# KiCad board Rogelio Pineda part 8-AMLDC-2044B.kicad_pcb (continued)
## Routing (per net, layer and track width the routed paths; a pad name or vN(x,y) marks a point on that pad's centre or on a via; arc(x,y) is an arc through that point) (continued)
  Top w0.15: 278.58,204.3 UM4.7 ; 278.58,204.3 278.59,204.29 278.85,204.54 278.85,228.02 ; 278.58,204.3 281.19,201.69 281.19,192.01 ; UE1.7 165.53,343.15 165.61,343.06 165.68,343.13 ; 208.53,405.98 208.53,395.26 ; 208.53,405.98 208.53,407.16 v1(208.58,407.21) 208.53,407.26 208.53,407.38 ; 208.53,405.98 208.51,405.95 C30.2 ; 208.53,395.26 208.53,388.54 ; 208.53,395.26 208.5,395.23 208.25,395.47 UB2.7 ; 433.62,352.89 433.62,349.06 433.67,349 433.67,340.2 ; 433.62,352.89 433.62,359.06 ; 433.62,352.89 433.66,352.85 C53.1 ; 281.9,162.95 279.67,162.95 UP4.8 ; 281.9,162.95 281.9,157.87 ; 281.9,162.95 281.9,180.73 ; 360.08,47.13 360.33,47.38 360.33,64.36 ; 360.08,47.13 v1(359.99,39.33) 360.08,39.41 ; 360.08,47.13 UW6.7 ; 397.26,244.84 397.03,245.07 397.03,253.3 ; 397.26,244.84 395.69,244.84 v1(395.6,244.93) 395.51,244.84 395.48,244.84 395.43,244.9 ; 397.26,244.84 397.26,233.73 396.88,233.35 v1(396.82,233.35) 396.82,233.29 396.74,233.21 396.74,220.29 ; 205.96,340.09 205.96,324.12 ; 205.96,340.09 202.8,339.7 198.85,339.6 v1(197.63,339.75) 197.52,339.7 ; 205.96,340.09 205.96,342.86 ; 205.96,324.12 205.96,307.73 206.06,307.63 ; 205.96,324.12 205.93,324.09 205.87,324.14 UF2.7 ; 165.88,236.09 165.88,221.02 166.13,220.77 ; 165.88,236.09 165.93,236.14 165.93,254.31 ; 165.88,236.09 163,236.36 160.13,236.36 159.83,236.06 C66.1 ; 316.5,286.76 316.4,286.66 316.13,286.93 UH5.7 ; 316.5,286.76 316.5,299.96 ; 316.5,286.76 316.5,238.91 315.94,238.35 ; UF1.7 165.66,324 165.95,323.7 165.95,323.83 ; 247.93,324.26 246.87,324.26 UF3.8 ; 247.93,324.26 246.65,324.29 246.61,324.24 ; 247.93,324.26 248.59,324.24 249,323.83 ; UP6.7 359.79,162 360.1,161.7 360.29,161.89 ; 165.95,302.93 165.95,289.65 165.93,289.62 ; 165.95,302.93 165.95,302.81 165.44,302.3 165.09,302.65 C62.2 154.9,302.65 ; 165.95,302.93 165.95,307.27 ; 396.86,39.01 396.83,39.05 v1(396.86,39.08) 396.83,64.01 ; UH4.9 281.34,294.68 282.03,293.98 ; 315.94,238.35 315.94,236.2 318.42,233.72 318.42,220.49 ; 315.94,238.35 UK5.7 ; UT6.7 359.61,107.96 359.92,107.66 360.35,108.09 ; 281.37,392.88 280.95,392.46 280.74,392.68 UB4.8 ; 281.37,392.88 281.37,400.63 ; 281.37,392.88 281.37,388.3 280.9,387.33 280.11,384.73 279.52,381.24 279.36,380.26 279.26,380.14 279.11,379.13 279.11,376.46 278.71,376.07 ; UD4.7 276.91,359.69 279.28,359.69 ; UD7.7 396.64,359.23 397.14,358.73 397.55,359.13 ; C67.2 200.48,236.25 200.53,236.2 206.09,236.2 ; US1.12 158.76,136.85 159.28,137.78 159.9,138.44 160.65,138.94 162.57,139.56 163.31,139.79 164.05,139.79 v1(164.09,139.83) 164.13,139.79 167.98,139.79 168.53,140.33 ; UN3.7 244.8,188.35 246.34,188.35 ; 246.6,38.73 v1(246.56,38.77) 246.34,38.99 246.34,48.65 ; UV6.7 360.03,64.65 360.33,64.36 ; 281.9,305.19 281.9,314.28 281.34,314.84 ; 281.9,305.19 283.82,305.19 284.19,304.82 284.19,301.12 282.06,298.99 282.06,294.01 282.03,293.98 ; 281.9,305.19 279.51,305.19 UG4.8 ; 363.13,262.01 363.13,253.67 ; 363.13,262.01 363.13,261.57 362.89,261.32 UK6.9 ; 363.13,262.01 363.13,265.91 360.77,268.28 360.77,270.23 360.78,270.24 ; 363.13,253.67 362.91,253.45 362.66,253.7 UK6.8 ; 363.13,253.67 363.13,249.78 363.26,249.65 362.53,248.91 362.53,246.93 360.13,244.53 360.13,233.38 ; 360.29,161.89 360.29,155.33 ; 360.29,161.89 360.29,187.33 ; 360.29,155.33 359.53,156.1 359.01,156.1 358.9,155.98 C37.1 347.37,157.54 346.76,158.82 346.31,159.71 345.94,160.49 345.42,161.42 UP6.2 ; 360.29,155.33 360.29,139.9 ; 396.74,156.43 396.74,139.12 ; 396.74,156.43 396.59,156.28 396.55,156.33 390.16,156.33 389.44,152.47 UR7.10 ; 396.74,156.43 396.74,167.1 ; 396.74,139.12 396.74,121.32 ; 396.74,139.12 396.04,138.43 390.63,138.43 389.58,136.94 US7.10 ; UV1.7 164.71,65.8 165.89,64.62 ; 360.78,359.22 360.93,359.37 360.93,372.43 ; 360.78,359.22 360.67,359.33 UD6.7 ; 360.78,359.22 360.78,339.7 ; UB3.7 244.76,393.96 249.23,393.96 ; UF5.7 315.98,321.23 316.43,320.78 316.5,320.84 ; 168.53,140.33 168.84,140.02 168.84,125.85 166.15,123.16 166.15,109.17 ; 168.53,140.33 168.53,154.55 166.07,157 ; 397.49,287.04 396.71,286.25 396.36,286.6 395.04,286.6 v1(394.81,286.62) 395.01,286.6 395.02,286.6 ; 397.49,287.04 397.49,303.94 ; 397.49,287.04 397.49,281.98 397.46,281.95 399.47,279.94 399.47,269.76 ; 360.03,203.98 360.51,203.5 360.51,187.55 360.29,187.33 ; 360.03,203.98 360.13,203.88 360.13,220.63 ; 360.03,203.98 UM6.7 ; 316.16,143.33 315.87,143.05 315.87,118.02 315.87,118.02 315.87,102.51 315.95,102.51 318.26,100.2 318.26,88.65 ; 316.16,143.33 315.11,144.38 UR5.7 ; 316.16,143.33 316.16,162.91 ; 246.34,48.65 246.34,47.5 246.16,47.32 246.04,47.44 UW3.7 ; 246.34,48.65 246.34,66.43 ; 281.9,180.73 281.72,180.73 280,179.01 v1(280,178.96) 279.95,178.96 279.88,178.88 ; 281.9,180.73 281.9,191.29 281.19,192.01 ; C13.2 208.89,388.9 208.53,388.54 ; UM1.7 165.42,204.47 165.76,204.12 166.05,204.41 ; 248.97,331.83 248.97,323.86 249,323.83 ; 248.97,331.83 249.06,331.92 249.06,333.75 246.47,336.34 ; 248.97,331.83 248.85,331.95 248.68,331.94 248.49,331.75 UF3.9 ; 318.26,83.69 318.26,64.31 ; 318.26,83.69 317.8,83.23 317.27,83.76 309.05,84.01 ; 318.26,83.69 318.26,88.65 ; 318.26,64.31 317.78,64.78 UV5.8 ; 318.26,64.31 318.25,64.3 318.25,46.71 ; 281.19,192.01 281.39,191.8 281.34,191.86 280.26,191.86 v1(280.24,191.83) 280.21,191.86 280.06,191.86 ; UP4.2 264.24,162.76 264.31,163.86 264.73,165.25 265.15,166.23 265.41,166.59 265.41,167.24 265.99,168.4 UP4.14 266.26,170.82 266.06,171.43 266.03,172.87 265.97,173.18 265.77,175.44 265.7,175.81 265.4,177.01 265.28,178.16 C55.2 265.99,179.92 266.56,180.31 267.84,181.38 269.19,182.79 269.54,183.49 270.16,184.64 270.26,188.01 270.31,188.05 270.44,192.21 271.26,194.27 271.33,195.09 UN4.12 ; 246.62,127.67 246.34,127.39 245.99,127.75 US3.7 ; 246.62,127.67 246.62,108.48 246.48,108.61 ; 246.62,127.67 246.62,145.17 ; 279.22,89.79 279.29,89.72 278.99,89.42 UU4.7 ; 279.22,89.79 279.22,107.6 ; 279.22,89.79 279.22,64.5 ; 360.29,187.33 360.09,187.53 UN6.7 ; 166.13,220.77 UL1.7 ; 166.13,220.77 166.13,204.48 166.05,204.41 ; 318.26,88.65 318.07,88.46 317.49,89.04 UU5.8 ; UL2.7 205.95,220.86 206.06,220.75 206.09,220.79 ; 279.36,325.51 279.36,323.85 UF4.7 ; 279.36,325.51 279.36,340.75 ; 279.36,325.51 279.36,316.28 280.8,314.84 281.34,314.84 ; 397.44,332.5 C51.1 ; 397.44,332.5 397.49,332.45 397.49,320.19 ; 397.44,332.5 397.55,332.61 397.55,339.79 ; 206.06,270.97 205.64,270.56 UJ2.7 ; 206.06,270.97 206.06,253.99 ; 206.06,270.97 206.06,289.41 ; 281.34,314.84 279.31,312.81 UG4.9 ; 208.79,204.62 208.79,214.1 206.09,216.81 ; 208.79,204.62 208.38,204.21 UM2.8 ; 208.79,204.62 208.79,199.24 ; 360.13,220.63 360.13,233.38 ; 360.13,220.63 359.97,220.47 359.91,220.53 UL6.7 ; J2.99 80.65,46.44 v1(80.76,46.34) 80.86,46.44 80.87,46.44 80.88,46.43 ; 360.35,108.09 360.35,103.78 360.07,103.5 ; 360.35,108.09 360.35,122.78 ; UN7.7 395.54,188.35 396.2,188.35 396.74,188.89 ; 206.06,307.63 206.06,289.41 ; 206.06,307.63 UG2.7 ; 206.06,289.41 205.87,289.6 UH2.7 ; 360.78,305.19 360.78,304.65 360.68,304.55 UG6.7 ; 360.78,305.19 360.78,321.34 ; 360.78,305.19 360.78,287.41 ; 206.09,220.79 206.09,216.81 ; 206.09,220.79 206.09,236.2 ; 206.09,216.81 206.06,216.78 202.73,216.16 201.04,215.99 196.28,215.39 ; 208.79,199.24 208.79,178.21 v1(208.79,178.2) 208.79,178.2 208.79,167.08 208.89,166.98 208.89,164.44 209.13,164.2 v1(209.32,164.2) 209.32,164.02 209.38,163.95 209.38,156.65 208.21,155.48 208.6,155.09 208.6,149.61 ; 208.79,199.24 208.5,198.95 201.95,198.82 ; 166.05,386.85 166,386.8 ; 166.05,386.85 166.21,386.85 ; 166.05,386.85 166.05,378.47 165.97,378.54 ; 279.36,340.75 277.13,340.75 UE4.7 ; 279.36,340.75 279.28,340.83 279.28,359.69 ; 165.89,64.62 165.89,83.04 166.15,83.3 ; 165.89,64.62 165.89,60.85 168.3,58.43 168.3,43.07 ; 166,361.96 165.68,361.65 C43.2 165.68,343.13 ; 166,361.96 165.71,362.25 UD1.7 ; 166,361.96 166,373.72 166.06,373.79 ; 246.35,239.45 246.38,239.43 240.08,239.88 239.08,239.85 C68.1 ; 246.35,239.45 246.35,220.69 246.29,220.64 246.06,220.87 UL3.7 ; 246.35,239.45 246.35,270.31 ; 281.9,141.83 281.9,131.46 281.16,130.72 281.02,125.57 279.38,122.55 278.35,121.11 278.35,117.41 279.22,116.54 279.22,107.6 ; 281.9,141.83 281.9,141.61 281.31,141.02 272.73,141.02 272.49,140.78 C39.1 271.21,139.07 271.16,139.03 ; 281.9,141.83 281.9,157.87 ; 206.09,236.2 206.09,253.96 206.06,253.99 ; 165.93,289.62 165.89,289.58 165.77,289.71 UH1.7 ; 165.93,289.62 165.93,270.63 ; UL7.7 396.55,220.48 396.74,220.29 ; 166.05,204.41 166.66,203.81 166.66,200.07 166.78,200.07 168.53,198.32 168.41,198.2 v1(168.41,195.9) 168.26,190.29 167.75,188.19 167.79,187.06 166.58,185.08 166.27,163.58 166.27,162.8 166.07,162.61 ; 317.98,187.58 318.05,187.65 317.98,187.72 317.98,194.31 318.94,195.28 318.94,203.56 317.32,203.56 315.88,205 ; 317.98,187.58 317.98,184.97 318.18,184.76 316.16,182.74 316.16,162.91 ; 317.98,187.58 UN5.8 ; 276.82,65.16 278.56,65.16 279.22,64.5 ; 360.93,393.17 359.99,392.23 UB6.7 ; 360.93,393.17 v1(360.85,405.74) 360.93,405.78 360.89,405.82 ; 360.93,393.17 360.93,376.01 ; 166.06,373.79 166.21,373.64 170.01,373.64 v1(170.14,373.77) 170.28,373.64 170.33,373.64 170.45,373.76 ; 166.06,373.79 165.97,373.87 165.97,378.54 ; 208.53,388.54 208.53,377.63 208.72,377.44 ; 397.49,320.19 397.49,303.94 ; 397.49,320.19 396.78,320.9 UF7.7 ; 397.49,303.94 396.85,303.99 UG7.7 ; 249.06,369.9 248.92,369.77 UD3.9 ; 249.06,369.9 249.06,362.2 ; 249.06,369.9 249.06,379.07 ; 426.36,128.92 428,130.55 428,132.56 ; 426.36,128.92 v1(423.17,125.51) ; 426.36,128.92 426.77,125.99 425.74,117.32 425.02,113.44 424.26,109.98 423.55,106.08 423.17,103.85 v1(423.11,103.85) 423.11,103.79 422.9,103.58 422.42,98.43 421.77,95.18 419.54,80.58 418.86,75.13 417.13,61.39 416.93,59.65 416.57,54.04 416.4,52.1 416.33,51.41 C21.2 ; 360.29,139.9 359.2,139.59 354.1,139.68 346.8,139.8 346.34,140.42 346.2,140.83 UR6.2 ; 360.29,139.9 360.29,127.83 ; 431.76,402.89 433.67,402.89 433.75,402.81 433.75,388.58 433.6,388.43 ; 431.76,402.89 431.43,403.05 429.22,403.05 ; 431.76,402.89 v1(431.67,403.99) 431.73,404.05 ; 433.67,340.2 433.67,320.88 ; 433.67,340.2 433.45,339.98 UE8.7 ; 433.67,320.88 433.67,304.52 ; 433.67,320.88 433.45,320.66 433.38,320.73 UF8.7 ; UB4.9 279.46,400.63 281.37,400.63 ; 166.21,386.85 166.29,392.49 166.17,395.59 ; 166.21,386.85 CR3.2 ; 318,38.22 v1(317.91,38.24) 318.25,38.48 318.25,46.71 ; 282.03,287.41 282.03,282.3 281.78,282.04 280.44,280.12 279.59,277.9 278.89,276.2 278.87,274.51 278.87,245.72 278.43,245.27 v1(278.43,245.24) 278.4,245.24 278.39,245.23 278.39,228.48 278.85,228.02 ; 282.03,287.41 282.03,293.98 ; 282.03,287.41 282.03,287 282.01,286.97 281.92,287.06 UH4.8 ; 154.36,302.43 154.49,302.55 v1(154.53,302.55) 154.53,302.6 154.59,302.65 ; 360.78,270.24 360.78,287.41 ; 360.78,270.24 360.35,269.81 359.94,270.23 UJ6.7 ; UN5.15 301.21,193.94 301.01,193.42 300.93,192.82 300.72,192.13 300.5,190.87 300.17,189.66 299.99,184.41 299.85,183.16 v1(299.85,182.24) 299.85,182.17 299.81,182.13 ; 166.17,395.59 165.95,395.37 163.02,395.37 ; 166.17,395.59 166.17,396.19 166.68,396.69 166.68,406.42 167.31,407.06 168.08,407.06 v1(168.12,407.1) 168.16,407.06 168.59,407.06 168.67,406.97 168.67,406.59 169.16,406.1 C16.2 174.74,405.57 174.66,405.53 ; 396.74,167.1 396.5,166.87 391.21,166.87 391.06,167.01 390.16,168.06 UP7.10 ; 396.74,167.1 396.74,188.89 ; UR4.12 271.84,153.66 272.2,155.15 273.2,156.15 281.75,156.15 281.9,156.3 281.9,157.87 ; 318.56,359.22 318.38,359.4 UD5.8 ; 318.56,359.22 318.18,358.84 318.18,356.26 316.5,354.58 316.5,340.19 ; 318.56,359.22 318.63,359.29 318.63,369.87 316.05,372.45 316.05,375.33 315.81,375.57 ; UH3.7 246.16,289.56 246.35,289.37 ; 208.24,361.03 209.09,360.19 209.09,354.85 205.96,351.72 205.96,342.86 ; 208.24,361.03 208.58,361.03 208.6,361.01 208.86,361.27 208.86,369.22 210.16,370.52 210.16,376.29 209.87,376.29 208.72,377.44 ; 208.24,361.03 UD2.7 ; 433.6,388.43 433.62,388.41 433.62,374.64 ; 433.6,388.43 C17.1 ; UC3.11 237.19,389.01 237.33,389.71 249.2,389.74 249.23,389.77 ; 246.47,307.46 246.47,289.48 246.35,289.37 ; 246.47,307.46 246.35,307.34 246.25,307.44 UG3.7 ; 246.47,307.46 246.47,319.64 246.67,319.64 249,321.97 249,323.83 ; 208.8,38.66 208.8,38.74 v1(208.79,38.76) 208.8,38.77 208.8,59.08 208.96,59.24 208.91,59.29 206.74,59.29 ; 397.55,359.13 397.55,375.28 ; 397.55,359.13 397.55,339.79 ; UU3.7 246.11,89.52 246.34,89.29 ; 205.96,342.86 205.57,343.25 UE2.7 ; 205.89,128.01 205.89,127.86 206.5,127.25 206.5,109.01 ; 205.89,128.01 205.89,130.52 208.92,133.55 208.92,134.56 208.6,134.88 208.6,149.61 ; 205.89,128.01 205.86,127.98 205.84,128 US2.7 ; 397.55,391.94 397.55,375.28 ; 397.55,391.94 397.55,405.11 v1(397.61,405.17) 397.55,405.23 397.55,405.26 ; 397.55,391.94 397.51,391.98 UB7.7 ; 397.55,375.28 397.52,375.25 397.18,375.58 UC7.7 ; 279.28,359.69 279.36,359.77 279.36,375.42 278.71,376.07 ; US6.2 345.69,126.36 345.83,125.73 346.04,125.26 346.17,124.46 346.51,123.33 347.06,122.78 360.35,122.78 ; 429.22,403.05 429.14,403.13 427.61,403.13 427.23,402.13 426.64,401.08 426.92,400.31 UB8.10 ; 429.22,403.05 429.22,404.05 v1(429.17,404.1) 429.22,404.15 ; UG8.7 433.34,304.18 433.67,304.52 ; 435.02,188.7 434.48,188.16 434.34,184.18 432.47,180.67 431.74,178.72 429.18,175.3 C8.1 ; 435.02,188.7 434.86,188.87 434.86,203.48 434.64,203.69 435.02,204.07 435.02,209.33 435.66,209.97 435.66,212.8 434.05,214.42 434.05,216.45 v1(434.08,216.48) 434.05,216.52 434.05,217.57 430.03,221.59 430.03,227.33 431.05,228.35 431.05,231.8 432.05,232.8 432.05,232.93 v1(432.02,232.96) 432.05,232.99 432.05,237.92 432.86,238.73 432.86,247.7 433.18,248.03 433.18,256.35 ; 435.02,188.7 430.57,188.7 ; UR3.7 244.38,144.23 246.01,144.23 246.62,144.84 246.62,145.17 ; 360.93,376.01 360.48,375.56 360.46,375.58 UC6.7 ; 360.93,376.01 360.93,372.43 ; 397.55,339.79 397.43,339.68 396.93,340.18 UE7.7 ; 246.35,289.37 246.35,270.31 ; 246.35,270.31 246.29,270.26 246.07,270.48 UJ3.7 ; 316.16,162.91 315.57,162.33 UP5.7 ; 316.16,392.41 316.16,405.32 v1(316.19,405.36) 316.16,405.39 316.16,405.5 ; 316.16,392.41 316.16,387.46 ; 316.16,392.41 315.98,392.23 UB5.7 ; 206.5,65.98 206.32,65.8 UV2.7 ; 206.5,65.98 206.5,89.25 ; 206.5,65.98 206.74,65.74 206.74,59.29 ; UL5.8 317.93,220.98 318.42,220.49 ; Y1.2 428.41,146.12 428.41,140.92 428,140.52 428,132.56 ; 316.5,299.96 315.09,299.96 v1(315.02,299.89) 314.92,299.78 ; 316.5,299.96 316.5,305.25 ; 208.6,149.61 207.82,149.61 v1(207.37,149.42) 207.16,149.29 ; 249.06,362.2 249.01,362.15 UD3.8 ; 249.06,362.2 249.06,358.3 248.13,357.37 248.13,355.27 247.19,354.34 247.19,352.98 246.96,352.74 246.96,351.29 246.47,350.79 246.47,342.94 ; 282.06,43.57 282.06,57.05 279.82,59.29 279.82,63.9 279.22,64.5 ; 282.06,43.57 282.06,38.87 281.83,38.64 v1(281.83,38.57) 281.75,38.57 281.6,38.42 ; 282.06,43.57 282.06,42.26 279.66,42.12 279.03,42.14 276.88,42.17 276.26,42.27 275.27,42.49 274.1,43.36 273.92,43.56 273.69,43.74 273.1,44.49 273.01,48.59 272.86,49.27 272.64,50.31 272.42,50.9 272.18,52.11 272,52.72 271.93,53.21 271.91,53.68 271.87,54.8 ; 206.06,253.99 205.9,253.83 UK2.7 ; 360.78,287.41 360.78,286.73 360.67,286.62 360.45,286.85 UH6.7 ; UM2.15 191.52,212.32 191.75,214.43 192.27,215.12 192.73,215.38 192.75,215.39 196.28,215.39 ; US4.12 271.14,135.71 271.16,139.03 ; 396.74,121.32 396.74,117.34 396.83,117.25 396.83,64.01 ; 396.74,121.32 396.59,121.18 396.37,121.4 390.01,121.4 UT7.10 ; 271.16,139.03 271.17,140.79 ; 399.47,269.76 399.47,262.14 399.53,262.09 397.08,259.64 397.08,253.24 397.03,253.3 ; 399.47,269.76 399.41,269.71 398.96,270.15 UJ7.8 ; 316.5,305.25 315.71,304.46 315.61,304.55 UG5.7 ; 316.5,305.25 316.5,320.84 ; 246.48,108.61 246.48,89.43 246.34,89.29 ; 246.48,108.61 UT3.7 ; 246.53,404.43 v1(246.47,404.37) 246.53,404.07 248.88,401.71 248.88,394.31 249.23,393.96 ; 360.93,372.43 359.11,372.18 348.56,372.26 C52.1 ; 279.22,107.6 278.76,107.14 278.42,107.48 C18.1 ; 315.81,375.57 315.75,375.63 UC5.7 ; 315.81,375.57 316.16,375.92 316.16,387.46 ; 249.23,389.77 249.23,393.96 ; 249.23,389.77 249.06,379.07 ; 246.34,188.35 246.35,188.35 ; 246.34,188.35 246.34,178.08 v1(246.29,178.03) 246.34,177.97 246.34,176.66 246.62,176.39 246.62,162.95 ; 360.29,127.83 360.35,127.77 360.35,122.78 ; 360.29,127.83 360.18,127.72 360.18,127.73 US6.7 ; 208.72,377.44 UC2.8 ; 281.37,400.63 281.37,404.92 280.59,405.69 v1(280.16,405.74) 280.21,405.69 ; 278.85,228.02 276.98,228.02 UL4.7 ; 246.35,188.35 246.32,205.01 ; 246.35,188.35 246.35,222.15 ; 246.34,89.29 246.34,66.43 ; 246.34,66.43 246.34,65.34 245.98,64.97 245.73,65.22 UV3.7 ; R34.1 86.23,244.94 87.21,243.91 87.76,243.05 R35.1 89.8,240.13 90.3,239.33 90.56,238.9 R15.1 92.59,235.92 92.66,235.78 R16.1 93.93,225.06 v1(94.06,224.93) 94.19,224.81 ; 236.48,331.84 236.48,324.22 ; 397.03,253.3 UK7.7 ; 360.78,321.34 360.78,339.7 ; 360.78,321.34 360.57,321.13 UF6.7 ; 278.71,376.07 UC4.7 ; 165.68,343.13 165.95,342.86 165.95,323.83 ; 206.74,59.29 200.4,59.29 199.72,58.35 199.16,57.48 198.97,56.82 UW2.12 ; 165.97,378.54 165.82,378.7 UC1.7 ; 200.58,198.46 200.54,198.43 ; 200.54,198.43 199.21,197.39 199.12,195.61 UN2.12 ; 200.54,198.43 201.23,198.59 202.28,198.83 ; 318.42,220.49 317.05,219.12 317.05,215.1 316.23,214.27 316.23,208.16 315.88,207.82 315.88,205 ; C58.2 132.18,354.65 C59.2 132.12,352.89 131.92,348.89 131.92,342.29 132.23,339.6 132.09,338.42 132.09,337.73 C61.2 ; UW1.12 158.33,53.73 158.45,53.15 158.63,52.15 159.04,51.42 159.32,50.37 159.45,49.88 159.48,45.71 159.73,44.94 159.97,44.51 160.47,44.21 161.23,43.82 162.83,43.36 164.02,43.07 168.3,43.07 ; 360.07,103.5 346.48,103.5 346.45,103.47 345.93,105.29 UT6.2 ; 360.07,103.5 360.33,103.24 360.33,85.2 ; UE3.7 246.31,343.1 246.47,342.94 ; 246.47,342.94 246.47,336.34 ; 246.47,336.34 246.26,336.13 239.43,336.13 238.35,335.55 237.33,335.15 C26.2 236.48,331.85 UF3.13 UF3.4 ; 316.5,340.19 316.2,340.48 UE5.7 ; 316.5,340.19 316.47,340.15 ; 316.5,340.19 316.5,320.84 ; 166.15,109.17 165.6,108.63 165.32,108.9 UT1.7 ; 166.15,109.17 166.15,89.9 ; UU2.7 205.85,89.64 206.37,89.12 206.5,89.25 ; UM7.7 396.38,203.85 396.74,204.21 ; 206.5,109.01 206.07,108.58 205.84,108.8 UT2.7 ; 206.5,109.01 206.5,89.25 ; 360.78,339.7 360.24,340.23 UE6.7 ; 318.25,46.71 317.7,47.25 UW5.8 ; UP1.7 165.77,162.3 166.07,162.61 ; 168.3,43.07 168.33,43.04 ; 168.3,43.07 168.52,42.85 v1(168.41,38.84) 168.52,38.76 ; 166.15,89.9 165.39,89.14 164.63,89.89 UU1.7 ; 166.15,89.9 166.15,83.3 ; 183.36,403.49 183.28,403.57 v1(183.28,403.66) 183.19,403.66 183.11,403.74 181.75,403.74 180.31,404.3 178.78,404.76 174.74,405.48 ; 433.18,256.35 422.62,256 422.59,256.03 421.89,254.9 UK8.3 ; 433.18,256.35 433.02,265.76 433.67,304.52 ; 196.28,215.39 195.89,215.34 ; 166.15,83.3 166.03,83.18 164.79,83.18 v1(164.7,82.94) 164.7,83.08 ; 165.95,323.83 165.95,307.27 ; 165.95,307.27 165.91,307.23 165.7,307.44 UG1.7 ; 246.62,145.17 246.62,162.95 ; 165.93,270.63 165.93,270.46 165.94,270.45 UJ1.7 ; 165.93,270.63 165.93,254.31 ; UD8.7 433.38,359.03 433.48,358.93 433.62,359.06 ; 433.62,359.06 433.62,374.64 ; 360.13,233.38 360.26,233.25 361.54,233.25 361.66,233.38 v1(361.66,233.44) 361.73,233.44 ; 360.33,85.2 360.33,64.36 ; 360.33,85.2 360.23,85.1 C23.1 ; 166.07,162.61 166.07,157 ; 166.07,157 166.07,156.88 165.72,156.53 160.23,156.53 159.49,155.37 UR1.12 ; UC8.7 432.58,375.68 433.62,374.64 ; UK1.7 165.51,254.1 165.68,253.92 165.93,254.17 165.93,254.31 ; 396.74,220.29 396.74,204.21 ; 428,132.56 427.5,132.06 ; 315.88,205 315.16,204.28 UM5.7 ; 314.95,387.49 v1(315.09,387.49) 316.05,387.49 316.12,387.42 316.16,387.46 ; 396.74,188.89 396.74,204.21 ; 246.62,162.95 246.62,162.04 246.29,161.71 244.85,161.71 UP3.7 ; 272.53,165.35 271.96,164.23 271.67,162.58 UP4.5 ; 396.83,64.01 396.31,64.53 UV7.7 ; 272.45,165.23 272.56,165.4 272.87,166.16 272.87,166.09 272.87,166.72 ; 272.87,166.72 273.23,167.39 273.41,168.04 273.44,168.2 273.66,168.49 273.84,168.88 273.99,169.74 UP4.11 ; 272.87,166.72 272.69,166.89 270.35,166.89 269.93,166.87 269.6,166.86 268.29,166.9 267.91,166.86 267.16,166.83 266.4,166.85 266.24,166.86 265.41,166.89 ; 249.06,379.07 UC3.7 ; 246.32,204.23 246.25,204.3 UM3.7
  Top w0.2: C22.1 305.58,84.17 306.24,84.06 309.05,84.01
  Top w0.25: 127.64,272.19 126.76,272.19 UJ0.7 ; 127.64,272.19 128.42,266.68 C72.2 131.78,262.27 132.39,261.67 132.39,251.27 132.31,251.35 ; 127.64,272.19 127.87,272.42 ; 127.61,64.96 127.61,48.13 ; 127.61,64.96 127.61,89.52 ; 127.61,64.96 126.72,65.86 UV0.7 ; 127.61,48.13 127.04,47.56 126.58,48.02 UW0.7 ; 127.61,48.13 127.61,40.35 126.47,39.21 v1(126.42,39.21) 126.42,39.15 126.45,39.18 ; 127.7,307.54 127.52,307.37 127.4,307.49 UG0.7 ; 127.7,307.54 127.7,324 ; 127.7,307.54 127.7,298.48 127.87,298.31 ; 132.31,251.35 UK0.7 ; 132.31,251.35 133,250.66 133,245.6 ; 127.61,89.52 127.07,90.07 UU0.7 ; 127.61,89.52 128.14,90.05 128.14,109.23 ; 132.82,203.95 132.51,204.26 UM0.7 ; 132.82,203.95 132.82,220.86 ; 132.82,203.95 132.71,203.84 132.71,202.08 128.1,197.48 127.99,197.48 127.99,187.61 ; 127.03,402.65 v2(127.53,405.2) 127.58,405.25 ; 127.03,402.65 R19.2 125,395.82 CR1.2 124.53,392.07 126.98,389.62 126.98,381.3 127.03,381.25 127.03,380.45 126.51,379.93 ; 127.03,402.65 127.58,402.65 128.18,402.05 133.28,402.05 133.33,402.1 133.93,400.65 134.33,399.15 135.53,396.4 136.73,394.05 137.03,393.75 C45.1 137.03,389.8 C31.1 ; v1(92.19,356.08) 92.86,357.65 93.64,360.05 94.6,362.77 95.83,366.21 96.7,369.82 97.44,372.69 v1(98.44,377.71) ; 127.85,362.24 UD0.7 ; 127.85,362.24 127.85,345.69 ; 127.85,362.24 129.41,363.8 128.73,365.85 128.73,375.21 UC0.7 126.35,379.93 126.51,379.93 ; 127.85,345.69 127.96,345.58 v1(111.46,345.28) 111.56,345.58 ; 127.85,345.69 127.87,345.67 127.87,342.96 ; 278.96,64.76 278.81,64.91 UV4.7 ; 127.74,289.59 127.87,289.72 127.87,298.31 ; 127.74,289.59 127.58,288.52 127.87,285.7 ; 127.74,289.59 127.55,289.39 UH0.7 ; 127.87,272.42 125.1,266.27 C71.2 ; 127.87,272.42 127.87,285.7 ; 127.99,162.53 127.99,144.68 ; 127.99,162.53 128.13,162.39 UP0.7 ; 127.99,162.53 127.99,187.61 ; 127.99,144.68 127.83,144.52 UR0.7 ; 127.99,144.68 127.99,127.64 ; UE0.7 127.78,343.05 127.87,342.96 ; 127.87,298.31 128.28,298.72 R7.2 ; 128.14,109.23 127.99,109.38 127.99,127.64 ; 128.14,109.23 UT0.7 ; 133,245.6 132.8,245.4 C64.2 ; 133,245.6 133,236.83 132.91,236.74 ; 127.7,324 127.87,324.17 127.87,342.96 ; 127.7,324 127.64,324.05 UF0.7 ; 126.51,379.93 126.13,379.55 ; 127.99,127.64 127.78,127.85 US0.7 ; 127.99,187.61 127.8,187.79 UN0.7 ; 132.91,236.74 132.79,236.62 127.63,236.62 127.26,236.26 C65.2 ; 132.91,236.74 132.91,220.96 132.82,220.86 ; 127.87,285.7 120.3,285.47 115.28,284.65 115.35,284.68 ; 426.85,148.04 429.33,150.47 428.98,150.82 429.16,157.39 429.47,160.63 429.66,162.44 429.87,167.34 R25.2 428.98,170.45 429.28,170.45 429.68,170.85 429.68,172.75 C8.1 ; J2.1 81.25,202.02 v2(81.33,202.1) ; 132.82,220.86 UL0.7 ; 360.29,143.01 360.23,142.95 358.17,142.95 ; J1.99 81.13,235.8 81.13,235.8 v2(81.18,235.8) 81.18,235.85
  Bottom w0.15: UC5.5 310.1,376.31 310.8,376.31 UC5.6 312.16,376.31 313.34,376.31 UC5.7 ; 293.33,221.74 294.14,221.62 295.49,221.32 296.72,221.22 297.66,221.17 UL5.1 ; 293.33,221.74 293.68,221.69 ; 293.33,221.74 291.76,222.22 290.58,222.49 288.55,223.23 286.53,224.08 282.36,226.37 280.62,227.15 277.38,228.73 UL4.7 ; C44.2 202.78,357.84 203.4,359.2 UD2.7 205.95,360.71 208.91,360.48 212.8,360.34 214.15,360.31 214.85,360.38 216.14,360.47 217.42,360.74 220.3,361.19 222.1,361.62 227.53,362.45 UD3.1 ; UK5.7 313.72,241 313.91,241.18 ; R28.2 85.65,60.57 85.98,60.28 86.2,60.08 86.63,59.66 87.87,58.68 88.61,57.9 89.99,55.63 90.59,53.87 v1(91.32,51.75) 91.4,51.7 90.26,50.93 87.11,48.97 86.05,48.29 85.28,47.92 85.31,47.89 83.4,46.78 82.28,46.09 81,46.09 v1(80.76,46.34) ; 281.83,35.7 292.35,35.7 292.47,35.59 ; 281.83,35.7 281.83,35.66 281.78,35.7 246.56,35.7 ; 281.83,35.7 v1(281.83,38.57) ; v1(246.29,178.03) 235.51,178.03 C70.2 ; v1(111.46,345.28) 110.95,345.37 109.02,345.07 108.4,344.6 108.15,344.25 106.54,342.77 106.15,342.46 105.58,342.23 104.17,342.56 103.32,343.52 v1(102.34,344.57) ; 225.77,97.46 225.77,101.23 224.6,101.96 R59.2 ; 225.77,97.46 225.81,97.46 225.81,96.9 225.86,92.09 ; 225.77,97.46 R61.2 ; 313.91,241.18 312.66,241.52 311.37,241.95 307.78,241.99 305.14,241.99 303.75,242.2 301.91,242.11 293.59,242.27 ; 313.91,241.18 315.43,241.18 316.61,240.65 318.61,240.03 319.54,239.48 321.53,238.64 322.83,237.89 325,236.98 329.42,234.88 331.26,234.21 334.11,233.22 336.53,232.35 337.54,232.08 338.29,232.04 339.81,231.79 340.77,231.89 344.05,232 348,232.27 350.47,232.6 355.45,233.08 357.34,233.31 358.51,233.44 359.8,233.45 361.55,233.56 v1(361.66,233.44) 392.08,232.75 v1(396.82,233.35) 397.65,232.52 431.59,232.52 v1(432.02,232.96) ; v1(136.99,375.91) 135.83,375.12 133.82,374.35 133.01,374.35 C20.1 131.81,374.13 ; 246.56,35.7 v1(246.56,38.77) ; 246.56,35.7 245.49,35.67 208.72,35.63 ; v1(98.44,377.71) 98.56,378.53 98.97,379.54 99.04,379.9 99.7,382.31 100.26,383.01 100.72,383.37 101.36,383.89 103.45,385.16 105.69,385.16 105.69,384.94 C1.2 106.58,385.58 107.33,386.88 107.81,387.79 108.86,388.99 110.59,389.53 114.86,389.79 117.33,389.79 118.68,390.01 120.96,390.35 122.86,390.84 R49.2 ; 225.77,87.09 225.86,87.18 225.86,92.09 ; 225.77,87.09 225.99,86.87 227.7,86.7 228.93,86.33 229.77,86.1 231.18,85.56 231.48,85.29 C32.1 234.59,84.83 236.1,84.95 236.67,85 237.43,85.17 241.15,85.66 242.73,85.99 242.97,86.33 243.54,87.06 UU3.7 ; 225.77,87.09 R63.2 ; v1(208.79,38.76) 208.72,38.68 208.72,35.63 ; 126.33,376.45 125.45,376.45 C19.1 125.18,377.45 125.18,377.45 ; 126.33,376.45 127.11,376.45 128.28,375.76 129.91,374.84 131.01,374.36 131.71,373.7 132.11,373.7 ; 126.33,376.45 125.23,376.45 125.18,376.5 125.18,377.45 ; UP2.7 207.75,163.15 208.34,163.42 208.75,163.71 v1(209.32,164.2) ; 126.61,34.68 126.61,39.02 v1(126.42,39.21) ; 126.61,34.68 126.61,34.57 126.25,34.92 84.74,34.92 83.53,35.95 82.37,38.61 81.24,45.1 v1(80.76,46.34) ; 126.61,34.68 168.23,34.68 168.36,34.82 ; UG4.1 260.57,305.42 258.16,305.5 257.52,305.58 256.4,305.71 255.15,305.85 254.02,305.99 249.44,306.65 247.35,307.05 246.37,307.36 245.36,307.45 UG3.7 ; 271.49,390.65 272.3,390.87 273.12,390.83 274.51,390.72 275.85,390.54 276.98,390.68 278.14,391.22 278.88,391.65 UB4.8 ; 271.49,390.65 270.73,390.51 269.66,390.34 268.19,390.03 266.39,389.63 v1(265.61,389.21) 265.63,389.23 ; 271.49,390.65 271.41,390.65 ; 423.38,216.7 433.86,216.7 v1(434.08,216.48) ; 423.38,216.7 C54.1 ; 423.38,216.7 423.23,213.86 UM8.13 ; UU0.7 124.97,88.24 124.52,86.79 124.13,85.89 123.81,85.85 119.29,85.28 C35.1 ; v2(81.33,227.45) 83.56,227.45 84.39,226.62 89.99,226.62 90.27,226.68 90.7,226.66 94.2,226.66 ; 293.59,242.27 293.69,242.26 ; 293.59,242.27 290.52,242.6 286.73,243.57 283.63,244.18 280.39,244.99 v1(278.43,245.24) 274.27,245.56 266.29,245.86 265.92,245.77 257.63,245.59 246.55,240.87 C68.1 235.37,238.64 235.12,238.76 230.68,237.68 228.43,237.09 216.2,236.85 214.41,236.87 C67.2 198.34,236.06 C66.1 157.98,236.26 C65.2 112.42,235.2 110.61,234.7 108.63,233.68 100.78,226.66 94.2,226.66 ; UU2.7 203.02,87.93 202.42,87.37 200.97,86.35 197.32,84.21 196.77,84 ; v1(164.7,82.94) 162.08,83.48 158.85,84.15 153.99,84.51 152.98,84.48 C34.1 ; C33.1 195.67,83.67 196.3,83.7 196.84,84.04 ; 125.18,377.45 UC0.7 ; UR0.7 125.48,142.84 124.83,141.84 123.2,141.46 121.63,140.95 119.78,140.45 119.51,140.36 118.9,140.19 C10.1 ; 208.72,35.63 169.18,35.63 168.36,34.82 ; UE0.7 127.3,341.87 128.67,341.08 130.2,340.26 132.23,339.6 ; v1(207.37,149.42) 205.61,149.72 204.42,149.95 202.46,150.17 201.35,150.37 199.95,150.93 UR2.12 ; v1(315.02,299.89) 314.39,299.96 314.1,300 311.99,300.09 310.59,300.35 309.57,300.79 308.05,301.28 306.48,301.76 305.21,302.05 304.65,302.21 303.8,302.4 303.17,302.76 302.79,303.13 UG5.2 ; UN4.12 272.36,194.46 273.15,194.01 273.59,193.85 275.24,193.29 276.31,192.94 278.61,192.49 279.36,192.42 v1(280.24,191.83) ; v1(208.79,178.2) 208.69,178.1 C69.2 ; v1(168.41,38.84) 168.41,34.87 168.36,34.82 ; 225.86,92.09 225.79,92.16 R62.2 ; 94.2,226.66 94.2,225.06 v1(94.06,224.93) ; UD8.7 431.87,360.2 429.91,361.64 427.19,362.91 425.84,363.21 423.73,364.1 423.27,364.66 422.57,365.8 UD8.12 ; R42.1 396.05,244.47 v1(395.6,244.93) ; v1(168.41,195.9) 168.33,194.95 166.89,193.62 165.05,193.33 162.89,193.35 161.25,193.61 159.85,193.84 UN1.12 ; J2.99 80.65,46.44 v1(80.76,46.34) ; UK8.3 UK8.2 ; 232.7,266.92 v1(232.85,266.99) 234.56,267.31 241.28,267.88 243.65,267.88 244.06,268.58 UJ3.7 ; v1(299.85,182.24) 299.19,182.51 299.01,182.4 297.57,182.3 296.98,182.26 296.68,182.23 294.89,182.07 294.46,181.98 293.24,181.71 292.48,181.65 291.81,181.49 289.85,181.24 288.29,181.02 286.36,180.66 283.95,180.21 281.41,179.65 v1(280,178.96) 279.53,179.43 272.24,179.43 272.2,179.47 272.13,179.4 C55.2
  Bottom w0.2: 397.73,407.8 397.97,407.8 397.97,405.53 v1(397.61,405.17) ; 397.73,407.8 368.22,407.8 366.18,409.84 360.9,409.84 ; 397.73,407.8 428.91,407.8 ; v1(431.67,403.99) 431.67,405.43 431.76,405.52 429.49,407.8 428.91,407.8 ; J1.99 81.18,235.8 v2(81.18,235.8) 81.24,231.53 v2(81.33,227.45) v2(81.33,202.1) 81.25,202.02 J2.1 ; v1(429.17,404.1) 429.17,407.1 429.39,407.32 428.91,407.8 ; UG1.7 165.02,306.95 166.64,305.95 167.96,305.33 168.94,304.66 170.51,303.79 171.01,303.29 R5.1 ; UC1.7 164.46,378.89 167.1,378.81 170.61,378.97 171.12,378.95 171.94,378.95 173.34,379.03 C28.1 177.11,378.77 178.42,378.19 179.14,377.95 180.98,377.66 182.17,377.72 185.06,377.89 187.62,377.76 UC2.1 ; UJ1.7 164.49,270.75 165.98,270.98 167.46,271.36 169.1,271.73 170.33,271.88 170.96,271.89 175.3,271.98 176.83,272.02 177.88,272.11 179.92,272.2 180.77,272.28 181.49,272.28 181.81,272.31 184.62,272.53 187.85,272.84 189.19,272.97 190.19,272.77 191.23,271.98 UJ2.2 ; 163.02,395.37 162.93,394.09 162.52,393.17 162.21,392.59 161.52,392.23 159.43,391.99 157.91,391.78 156.19,391.51 154.04,391 C46.2
  Bottom w0.25: 208.21,409.42 208.63,409 208.58,408.95 v1(208.58,407.21) ; 208.21,409.42 170.14,409.42 ; 208.21,409.42 211.51,409.42 ; v2(127.53,405.2) 127.53,405.2 127.53,408.94 127.05,409.42 126.96,409.42 ; 167.6,409.42 170.14,409.42 ; 167.6,409.42 167.95,409.42 168.12,409.26 v1(168.12,407.1) ; 167.6,409.42 126.96,409.42 ; 170.14,409.42 171.29,409.42 171.5,409.21 171.28,408.99 C16.2 ; CR5.2 92.18,404.49 92.04,404.63 92.04,407.81 ; v1(360.85,405.74) 361.15,406.04 361.15,409.84 355.56,409.84 354.24,408.52 316.65,408.52 ; 92.04,407.81 93.65,409.42 126.96,409.42 ; 92.04,407.81 88.1,407.81 82.77,402.47 82.77,401.84 81.37,400.44 81.37,391.55 v2(81.11,391.3) 81.04,391.37 J1.1 ; 246.95,408.94 279.85,408.94 281.9,408.52 ; 246.95,408.94 246.92,407.55 v1(246.47,404.37) ; 246.95,408.94 211.99,408.94 211.51,409.42 ; 281.9,408.52 280.66,407.62 v1(280.16,405.74) ; 281.9,408.52 316.65,408.52 ; C30.2 211.78,409.15 211.51,409.42 ; 316.65,408.52 316.7,408.57 316.7,405.87 v1(316.19,405.36)
